# Altium PCB fpga.PcbDoc (part 6 of 11)
Units mm, origin at the board's own origin, x right, y up, seen from the top; angles counter-clockwise.
Board outline 210 x 210 mm, 2 copper layers (Top Layer, Bottom Layer), stack 1.591 mm thick; 639 components, 1839 nets, 4759 pads, 4016 vias.
Unrouted connection lines stored in the file: 10.
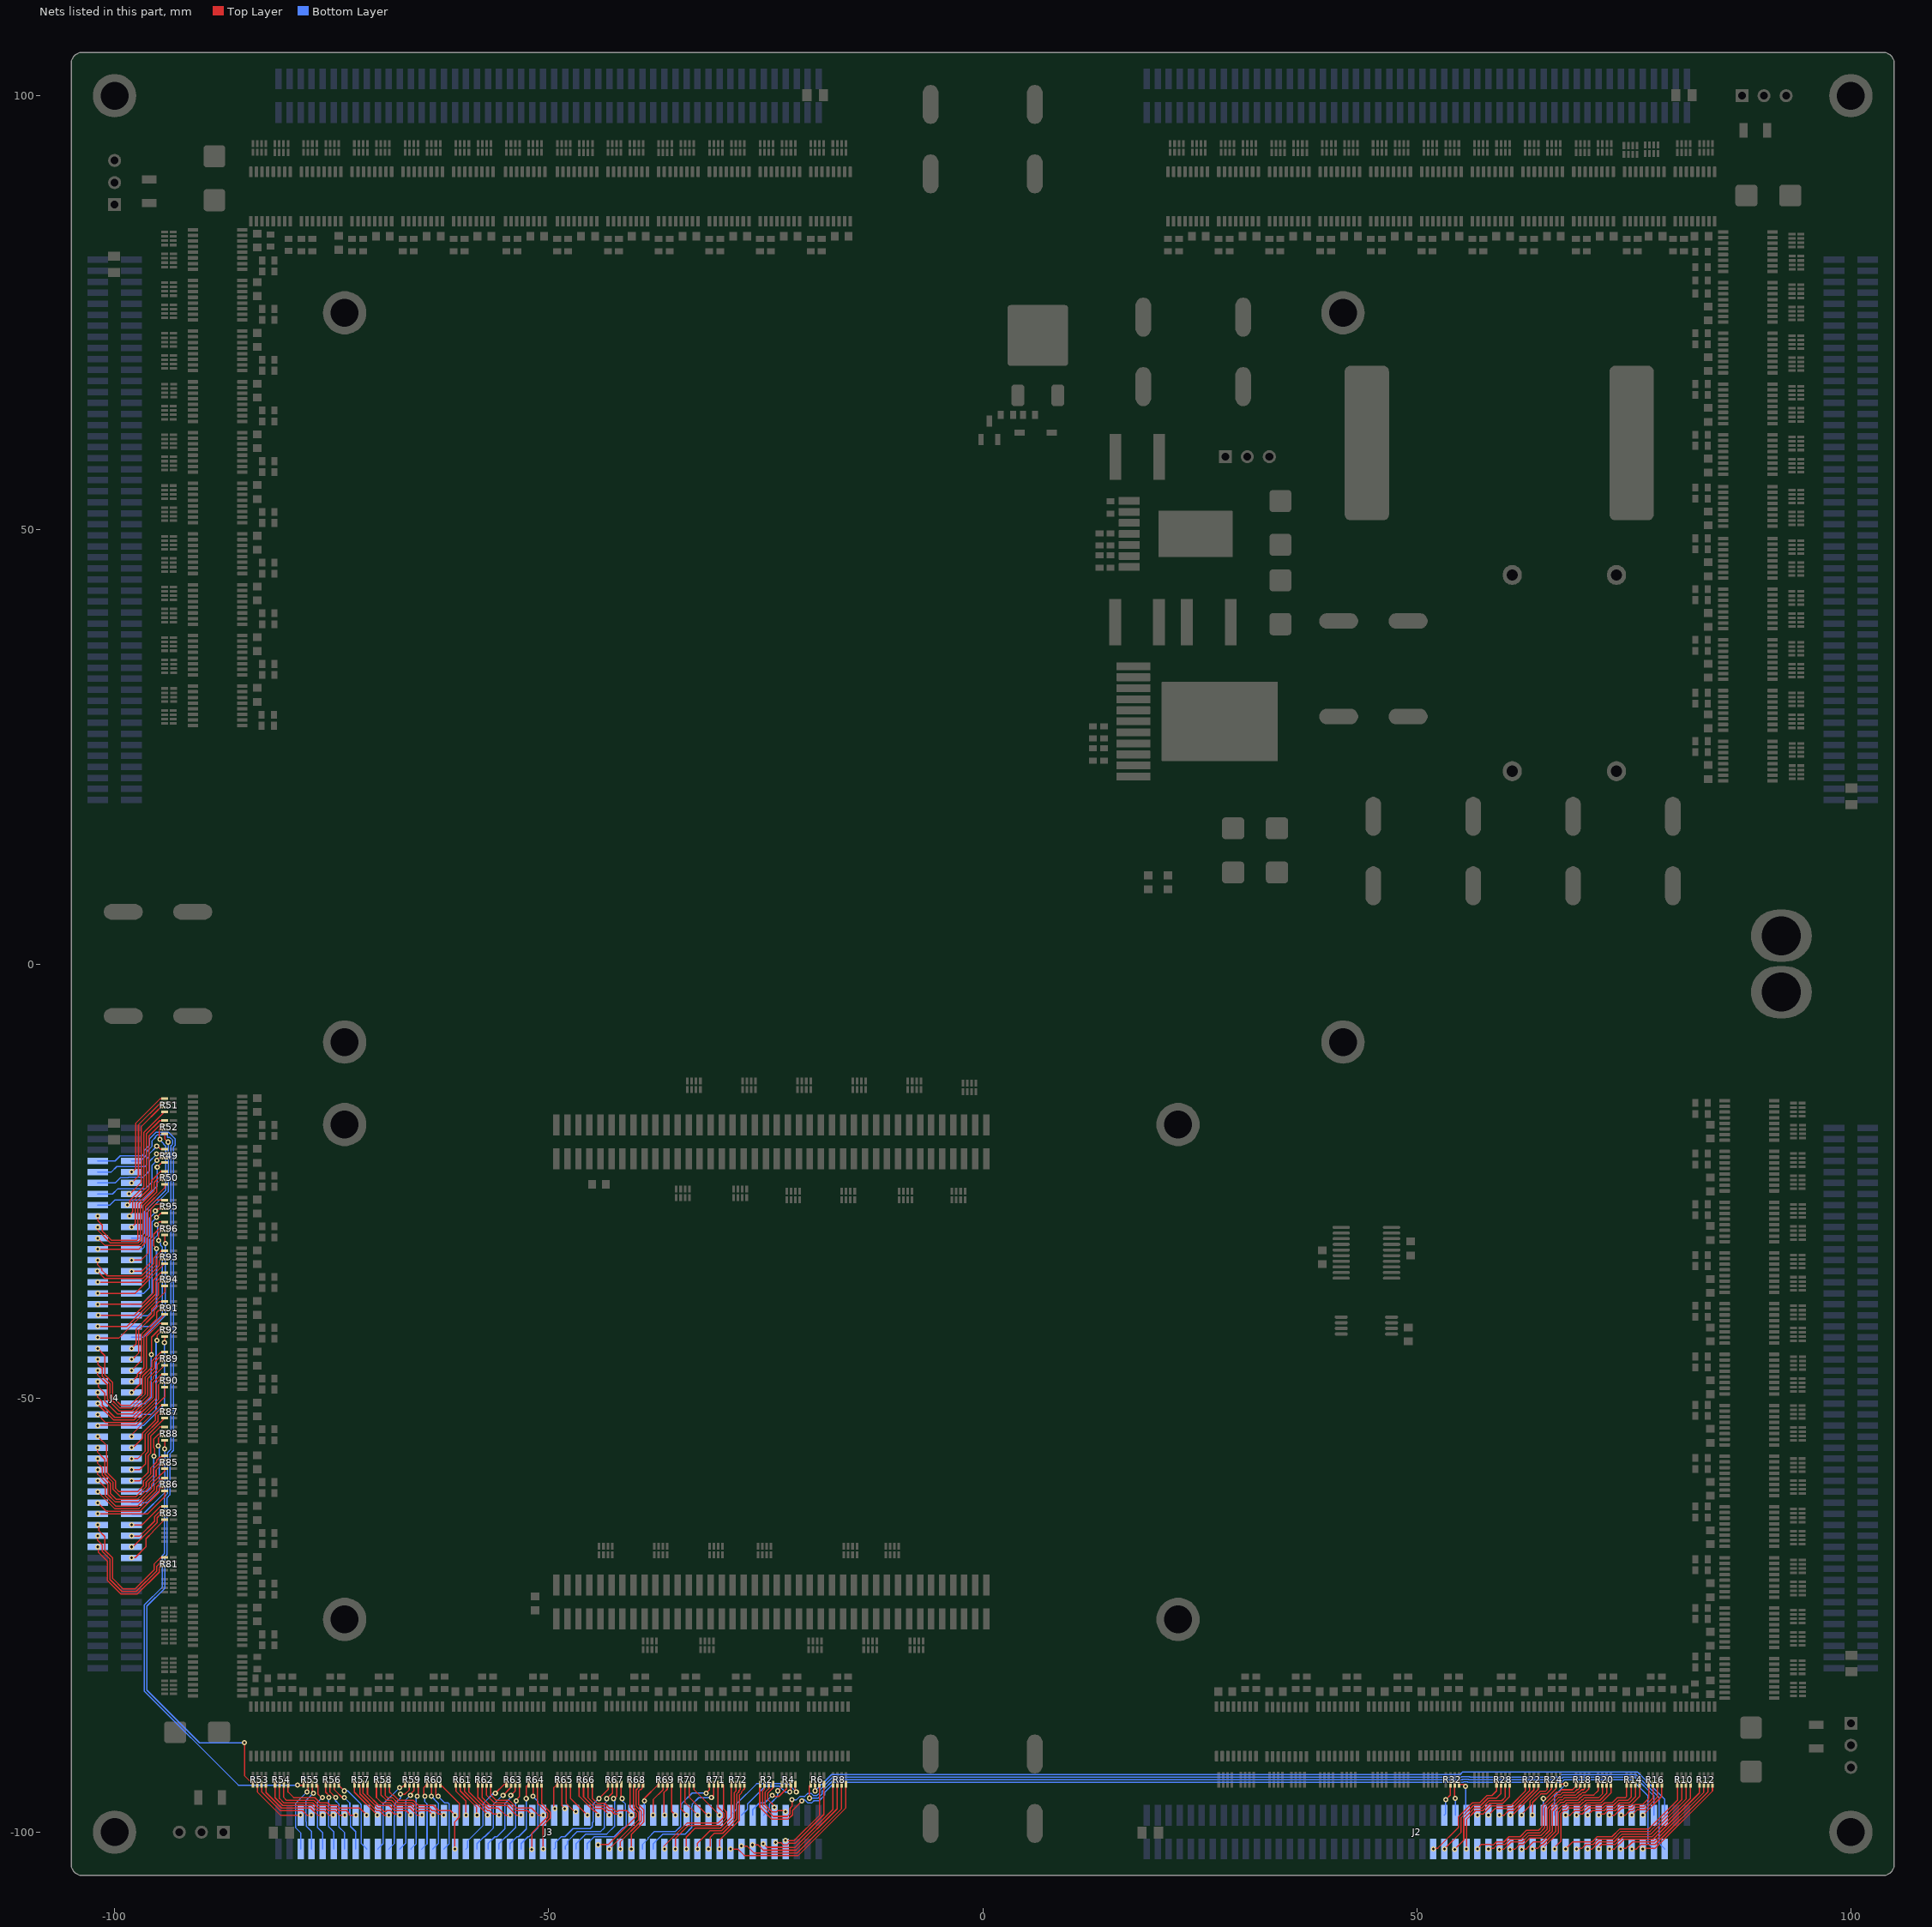
[diagram p6: the nets of this part, all layers, seen from the top]

## Via types
v1: diameter 0.6, hole 0.3, Top Layer to Bottom Layer, tented both sides, 3924 vias
v2: diameter 0.8, hole 0.4, Top Layer to Bottom Layer, tented both sides, 89 vias
v3: diameter 0.6, hole 0.3, Top Layer to Bottom Layer, 3 vias

## Nets (pads, with @x,y where several pads share a name; then routed paths per layer and width w, separated by ;. In a path a pad name is that pad's centre, name@x,y a point inside that pad or via, vN(x,y) a via of type N, cw(c..) or ccw(c..) an arc to the next point about the centre after c; other vN are vias at no path point) (continued)
NetJ2_54: J2.54 R28.5 | length 11.9
  Top Layer w0.15: R28.5@59.194,-94.48 59.194,-95.238 58.65,-95.782 58.083,-95.782 57.24,-96.625 56.395,-96.625 54.815,-98.205 54.815,-99.441 52.402,-101.854 v1@51.816,-101.854 ; v1@51.816,-101.854 51.816,-101.861 v1(51.905,-101.95) v1@51.816,-101.854
NetJ2_55: J2.55 R32.6 | length 3.8
  Top Layer w0.15: v1(53.34,-96.266) 53.864,-95.742 R32.6@53.864,-94.488
  Bottom Layer w0.15: J2.55@53.175,-98.05 53.34,-97.885 v1(53.34,-96.266)
NetJ2_56: J2.56 R28.6 | length 11.2
  Top Layer w0.15: v1(53.175,-101.95) 55.115,-100.01 55.115,-98.329 56.519,-96.925 57.365,-96.925 58.208,-96.082 59.182,-96.082 59.694,-95.57 R28.6@59.694,-94.48
NetJ2_57: J2.57 R32.7 | length 3.6
  Top Layer w0.15: R32.7@54.364,-94.488 54.364,-96.004 54.356,-96.012 v1(54.445,-96.101)
  Bottom Layer w0.15: J2.57@54.445,-98.05 v1(54.445,-96.101)
NetJ2_58: J2.58 R28.7 | length 11.5
  Top Layer w0.15: R28.7@60.194,-94.48 60.194,-95.973 59.785,-96.382 58.332,-96.382 57.489,-97.225 56.643,-97.225 55.415,-98.453 55.415,-100.922 v1(54.356,-101.981) ; v1(54.356,-101.981) 54.414,-101.981 54.445,-101.95 v1(54.356,-101.981)
NetJ2_59: J2.59 R32.8 | length 4.3
  Top Layer w0.15: R32.8@54.864,-94.488 55.499,-94.488 55.626,-94.615 v1(55.626,-94.742)
  Bottom Layer w0.15: J2.59@55.626,-97.961 v1@55.626,-94.615
NetJ2_60: J2.60 R28.8 | length 10.9
  Top Layer w0.15: v1(55.715,-101.95) 55.715,-98.578 56.768,-97.525 57.613,-97.525 58.456,-96.682 59.909,-96.682 60.694,-95.897 R28.8@60.694,-94.48
NetJ2_61: J2.61 R22.5 | length 7.8
  Top Layer w0.15: R22.5@62.492,-94.488 62.492,-95.299 60.866,-96.925 60.329,-96.925 60.272,-96.982 58.581,-96.982 57.646,-97.917 v1@56.896,-97.917 ; v1@56.896,-97.917 56.896,-97.961 v1(56.985,-98.05) v1@56.896,-97.917
NetJ2_62: J2.62 R18.5 | length 16
  Top Layer w0.15: v1(56.985,-101.95) 56.985,-101.892 57.452,-101.425 58.472,-101.425 58.52,-101.473 58.835,-101.473 59.183,-101.125 60.029,-101.125 60.629,-100.525 61.905,-100.525 62.629,-99.801 64.024,-99.801 64.413,-99.411 64.413,-97.07 66.078,-95.405 66.403,-95.405 66.683,-95.125 67.943,-95.125 68.334,-94.734 R18.5@68.334,-94.472
NetJ2_63: J2.63 R22.6 | length 6.7
  Top Layer w0.15: v1(58.255,-98.05) 59.023,-97.282 60.335,-97.282 60.365,-97.313 60.453,-97.225 60.99,-97.225 62.992,-95.223 R22.6@62.992,-94.488
NetJ2_64: J2.64 R18.6 | length 15.6
  Top Layer w0.15: R18.6@68.834,-94.472 68.709,-94.597 68.709,-94.965 68.577,-95.097 68.479,-95.097 68.151,-95.425 66.808,-95.425 66.528,-95.705 66.202,-95.705 64.713,-97.194 64.713,-99.536 64.148,-100.101 62.754,-100.101 62.029,-100.825 60.753,-100.825 60.153,-101.425 59.308,-101.425 58.879,-101.854 v1@58.166,-101.854 ; v1@58.166,-101.854 58.166,-101.861 v1(58.255,-101.95) v1@58.166,-101.854
NetJ2_65: J2.65 R22.7 | length 5.8
  Top Layer w0.15: v1@59.525,-98.05 v1(59.531,-98.044) 60.059,-98.044 60.578,-97.525 61.115,-97.525 63.492,-95.148 R22.7@63.492,-94.488
NetJ2_66: J2.66 R18.7 | length 14.7
  Top Layer w0.15: v1@59.525,-101.95 v1(59.494,-101.981) 60.022,-101.981 60.878,-101.125 62.154,-101.125 62.878,-100.401 64.272,-100.401 65.013,-99.66 65.013,-97.318 66.326,-96.005 66.652,-96.005 66.932,-95.725 68.298,-95.725 68.626,-95.397 68.701,-95.397 68.973,-95.125 69.213,-95.125 69.334,-95.004 R18.7@69.334,-94.472
NetJ2_67: J2.67 R22.8 | length 5
  Top Layer w0.15: v1(60.795,-98.05) 61.014,-98.05 63.992,-95.072 R22.8@63.992,-94.488
NetJ2_68: J2.68 R18.8 | length 13.9
  Top Layer w0.15: v1@60.795,-101.95 v1(60.764,-101.981) 61.292,-101.981 61.848,-101.425 62.278,-101.425 63.002,-100.701 64.396,-100.701 65.313,-99.784 65.313,-97.442 66.451,-96.305 66.776,-96.305 67.056,-96.025 68.422,-96.025 68.75,-95.697 68.826,-95.697 69.098,-95.425 69.421,-95.425 69.834,-95.012 R18.8@69.834,-94.472
NetJ2_69: J2.69 R24.5 | length 5.4
  Top Layer w0.15: R24.5@65.036,-94.48 65.036,-95.068 64.79,-95.314 64.174,-95.314 63.035,-96.453 63.035,-96.985 v1@61.976,-98.044 ; v1@61.976,-98.044 61.982,-98.05 v1(62.065,-98.05) v1@61.976,-98.044
NetJ2_70: J2.70 R20.5 | length 13.7
  Top Layer w0.15: v1@62.065,-101.95 v1(62.096,-101.981) 62.562,-101.981 63.418,-101.125 64.396,-101.125 65.613,-99.908 65.613,-97.567 66.575,-96.605 66.9,-96.605 67.18,-96.325 68.546,-96.325 68.874,-95.997 68.95,-95.997 69.222,-95.725 70.391,-95.725 70.878,-95.238 R20.5@70.878,-94.48
NetJ2_71: J2.71 R24.6 | length 4.8
  Top Layer w0.15: v1(63.335,-98.05) 63.335,-96.578 64.299,-95.614 64.914,-95.614 65.536,-94.992 R24.6@65.536,-94.48
NetJ2_72: J2.72 R20.6 | length 13.3
  Top Layer w0.15: R20.6@71.378,-94.48 71.378,-95.609 70.962,-96.025 69.346,-96.025 69.074,-96.297 68.998,-96.297 68.67,-96.625 67.305,-96.625 67.025,-96.905 66.699,-96.905 66.02,-97.584 66.02,-99.926 64.521,-101.425 64.388,-101.425 63.959,-101.854 v1@63.373,-101.854 ; v1@63.373,-101.854 63.335,-101.892 v1(63.335,-101.95) v1@63.373,-101.854
NetJ2_73: J2.73 R24.7 | length 4.7
  Top Layer w0.15: v1@64.605,-96.228 64.516,-96.139 v1(64.579,-96.139) 64.643,-96.139 64.77,-96.266 66.036,-95 R24.7@66.036,-94.48
  Bottom Layer w0.15: v1(64.579,-96.139) 64.579,-98.025 J2.73@64.605,-98.05
NetJ2_74: J2.74 R20.7 | length 12.7
  Top Layer w0.15: R20.7@71.878,-94.48 71.878,-95.533 71.086,-96.325 69.47,-96.325 69.198,-96.597 69.123,-96.597 68.795,-96.925 67.429,-96.925 67.149,-97.205 66.823,-97.205 66.32,-97.708 66.32,-100.05 v1@64.516,-101.854 ; v1@64.516,-101.854 64.516,-101.861 v1(64.605,-101.95) v1@64.516,-101.854
NetJ2_75: J2.75 R24.8 | length 4.8
  Top Layer w0.15: R24.8@66.536,-94.48 67.048,-94.48 67.056,-94.488 v1(67.183,-94.488)
  Bottom Layer w0.15: J2.75@65.875,-98.05 65.875,-95.796 v1(67.183,-94.488)
NetJ2_76: J2.76 R20.8 | length 12.4
  Top Layer w0.15: R20.8@72.378,-94.48 72.378,-95.457 71.21,-96.625 69.595,-96.625 69.323,-96.897 69.247,-96.897 68.919,-97.225 67.553,-97.225 67.273,-97.505 66.948,-97.505 66.62,-97.833 66.62,-101.02 v1@65.786,-101.854 ; v1@65.786,-101.854 65.786,-101.861 v1(65.875,-101.95) v1@65.786,-101.854
NetJ2_77: J2.77 R14.5 | length 9.3
  Top Layer w0.15: v1(67.145,-98.05) 67.673,-98.05 68.198,-97.525 69.043,-97.525 69.371,-97.197 69.447,-97.197 69.719,-96.925 71.335,-96.925 71.635,-96.625 72.512,-96.625 73.112,-96.025 74.041,-96.025 74.18,-95.886 R14.5@74.18,-94.48
NetJ2_78: J2.78 R10.5 | length 17.1
  Top Layer w0.15: v1(67.145,-101.95) 67.97,-101.125 70.189,-101.125 70.789,-100.525 72.48,-100.525 73.38,-99.625 76.729,-99.625 80.022,-96.332 R10.5@80.022,-94.48
NetJ2_79: J2.79 R14.6 | length 9
  Top Layer w0.15: R14.6@74.68,-94.48 74.68,-95.986 74.341,-96.325 73.237,-96.325 72.637,-96.925 71.759,-96.925 71.459,-97.225 69.843,-97.225 69.571,-97.497 69.496,-97.497 69.076,-97.917 v1@68.326,-97.917 ; v1@68.326,-97.917 68.326,-97.961 v1(68.415,-98.05) v1@68.326,-97.917
NetJ2_80: J2.80 R10.6 | length 16.6
  Top Layer w0.15: R10.6@80.522,-94.48 80.522,-96.256 76.853,-99.925 73.505,-99.925 72.605,-100.825 70.913,-100.825 70.313,-101.425 69.468,-101.425 69.039,-101.854 v1@68.326,-101.854 ; v1@68.326,-101.854 68.326,-101.861 v1(68.415,-101.95) v1@68.326,-101.854
NetJ2_81: J2.81 R14.7 | length 7.8
  Top Layer w0.15: v1(69.685,-98.05) 70.21,-97.525 71.583,-97.525 71.883,-97.225 72.761,-97.225 73.361,-96.625 74.493,-96.625 75.18,-95.938 R14.7@75.18,-94.48
NetJ2_82: J2.82 R10.7 | length 15.4
  Top Layer w0.15: v1(69.685,-101.95) 70.213,-101.95 71.038,-101.125 72.729,-101.125 73.629,-100.225 76.978,-100.225 81.045,-96.158 81.045,-94.503 R10.7@81.022,-94.48
NetJ2_83: J2.83 R14.8 | length 7.2
  Top Layer w0.15: R14.8@75.68,-94.48 75.68,-95.862 74.617,-96.925 73.485,-96.925 72.885,-97.525 72.008,-97.525 71.616,-97.917 v1@70.993,-97.917 ; v1@70.993,-97.917 70.955,-97.955 v1(70.955,-98.05) v1@70.993,-97.917
NetJ2_84: J2.84 R10.8 | length 14.9
  Top Layer w0.15: R10.8@81.522,-94.48 81.522,-96.105 77.102,-100.525 73.753,-100.525 72.853,-101.425 71.295,-101.425 v1@70.866,-101.854 ; v1@70.866,-101.854 70.955,-101.943 v1(70.955,-101.95) v1@70.866,-101.854
NetJ2_85: J2.85 R16.5 | length 6.9
  Top Layer w0.15: v1(72.225,-98.05) 72.785,-98.05 73.61,-97.225 74.741,-97.225 75.157,-96.809 76.035,-96.809 76.716,-96.128 R16.5@76.716,-94.488
NetJ2_86: J2.86 R12.5 | length 14
  Top Layer w0.15: v1(72.225,-101.95) 72.753,-101.95 73.878,-100.825 77.226,-100.825 82.562,-95.489 R12.5@82.562,-94.48
NetJ2_87: J2.87 R16.6 | length 6.1
  Top Layer w0.15: v1@73.495,-98.05 v1(73.533,-98.044) 74.029,-98.044 74.548,-97.525 74.866,-97.525 75.282,-97.109 76.159,-97.109 77.216,-96.052 R16.6@77.216,-94.488
NetJ2_88: J2.88 R12.6 | length 13.5
  Top Layer w0.15: R12.6@83.062,-94.48 83.062,-95.413 77.35,-101.125 74.848,-101.125 74.119,-101.854 v1@73.406,-101.854 ; v1@73.406,-101.854 73.406,-101.861 v1(73.495,-101.95) v1@73.406,-101.854
NetJ2_89: J2.89 R16.7 | length 5.3
  Top Layer w0.15: v1(74.765,-98.05) 75.406,-97.409 76.284,-97.409 77.716,-95.977 R16.7@77.716,-94.488
NetJ2_90: J2.90 R12.7 | length 12.4
  Top Layer w0.15: v1(74.765,-101.95) 75.293,-101.95 75.818,-101.425 77.475,-101.425 83.562,-95.338 R12.7@83.562,-94.48
NetJ2_91: J2.91 R16.8 | length 4.6
  Top Layer w0.15: v1@75.946,-98.139 v1(76.035,-98.05) 76.067,-98.05 78.216,-95.901 R16.8@78.216,-94.488
NetJ2_92: J2.92 R12.8 | length 11.9
  Top Layer w0.15: R12.8@84.062,-94.48 84.062,-95.262 77.47,-101.854 v1@75.946,-101.854 ; v1@75.946,-101.854 75.946,-101.861 v1(76.035,-101.95) v1@75.946,-101.854
NetJ2_93: J2.93 R6.5 | length 103.3
  Top Layer w0.15: v1(-19.964,-96.088) -19.964,-94.644 R6.5@-19.8,-94.48
  Bottom Layer w0.15: v1(-19.964,-96.088) -19.38,-96.088 -19.367,-96.075 -18.962,-96.075 -18.479,-95.592 -18.479,-95.274 -17.168,-93.963 55.238,-93.963 55.284,-93.917 55.968,-93.917 56.014,-93.963 66.541,-93.963 66.841,-93.663 75.154,-93.663 77.305,-95.814 J2.93@77.305,-98.05
NetJ2_94: J2.94 R2.5 | length 115.4
  Top Layer w0.15: R2.5@-25.642,-94.48 -25.682,-94.52 -25.682,-97.127 -24.321,-98.488 -22.391,-98.488 -21.908,-98.005 -21.908,-97.483 -20.828,-96.403 v1(-20.828,-96.393)
  Bottom Layer w0.15: v1(-20.828,-96.393) -20.671,-96.236 -20.559,-96.236 -20.182,-96.613 -19.671,-96.613 -19.446,-96.388 -19.256,-96.388 -19.243,-96.375 -18.838,-96.375 -18.179,-95.716 -18.179,-95.398 -17.044,-94.263 55.363,-94.263 55.409,-94.217 55.843,-94.217 55.889,-94.263 66.666,-94.263 66.966,-93.963 74.786,-93.963 76.632,-95.809 76.632,-101.277 J2.94@77.305,-101.95
NetJ2_95: J2.95 R6.6 | length 102.7
  Top Layer w0.15: v1(-19.304,-95.25) -19.304,-95.242 -19.3,-95.246 R6.6@-19.3,-94.48
  Bottom Layer w0.15: v1(-19.304,-95.25) -17.417,-93.363 54.99,-93.363 55.29,-93.063 75.402,-93.063 78.575,-96.236 J2.95@78.575,-98.05
NetJ2_96: J2.96 R2.6 | length 117
  Top Layer w0.15: R2.6@-25.142,-94.48 -25.142,-95.052 -25.382,-95.292 -25.382,-96.943 -24.137,-98.188 -22.516,-98.188 -22.208,-97.88 -22.208,-97.265 -21.971,-97.028 v1(-21.971,-96.266)
  Bottom Layer w0.15: v1(-21.971,-96.266) -21.443,-96.266 -21.045,-95.868 -20.611,-95.868 -20.543,-95.936 -20.489,-95.882 -20.489,-95.871 -20.182,-95.563 -19.733,-95.563 -19.521,-95.775 -19.087,-95.775 -18.779,-95.467 -18.779,-95.149 -17.293,-93.663 55.114,-93.663 55.16,-93.617 56.092,-93.617 56.138,-93.663 66.417,-93.663 66.717,-93.363 75.278,-93.363 77.9,-95.985 77.9,-101.275 J2.96@78.575,-101.95
NetJ3_7: J3.7 R6.7 | length 8.7
  Top Layer w0.15: v1(-22.733,-100.965) -21.717,-100.965 -18.779,-98.027 -18.779,-94.501 R6.7@-18.8,-94.48
NetJ3_8: J3.8 R2.7 | length 5.6
  Top Layer w0.15: R2.7@-24.642,-94.48 -24.642,-94.976 -25.082,-95.416 -25.082,-96.818 -24.22,-97.68 -23.786,-97.68 -23.642,-97.536 -22.733,-97.536 -22.606,-97.663 v1(-22.733,-97.663)
NetJ3_9: J3.9 R6.8 | length 10.6
  Top Layer w0.15: v1(-23.876,-101.219) -23.221,-101.219 -22.95,-101.49 -22.516,-101.49 -22.291,-101.265 -21.593,-101.265 -18.3,-97.972 R6.8@-18.3,-94.48
NetJ3_10: J3.10 R2.8 | length 3.3
  Top Layer w0.15: R2.8@-24.142,-94.48 -24.142,-94.901 -24.474,-95.233 -24.782,-95.541 -24.782,-95.975 -24.782,-96.206 -24.003,-96.985 v1(-24.003,-97.155)
NetJ3_11: J3.11 R8.5 | length 12.9
  Top Layer w0.15: v1(-25.273,-101.346) -24.875,-101.744 -23.121,-101.744 -23.075,-101.79 -21.653,-101.79 -17.26,-97.397 R8.5@-17.26,-94.48
NetJ3_12: J3.12 R4.5 | length 4.5
  Top Layer w0.15: v1(-23.622,-95.25) -23.102,-94.73 R4.5@-23.102,-94.48
  Bottom Layer w0.15: J3.12@-25.235,-98.05 -24.56,-97.375 -24.56,-96.757 -24.428,-96.625 -24.382,-96.625 -23.622,-95.865 v1(-23.622,-95.25)
NetJ3_13: J3.13 R8.6 | length 14.9
  Top Layer w0.15: v1(-26.543,-101.473) -25.888,-101.473 -25.271,-102.09 -21.529,-102.09 -16.76,-97.321 R8.6@-16.76,-94.48
NetJ3_14: J3.14 R4.6 | length 6.2
  Top Layer w0.15: v1(-24.257,-95.758) -24.257,-95.885 -23.495,-95.885 -22.602,-94.992 R4.6@-22.602,-94.48
  Bottom Layer w0.15: J3.14@-26.505,-98.05 -26.505,-97.432 -25.698,-96.625 -25.124,-96.625 v1(-24.257,-95.758)
NetJ3_15: J3.15 R8.7 | length 16.8
  Top Layer w0.15: v1(-27.813,-101.6) -27.158,-101.6 -26.368,-102.39 -21.364,-102.39 -16.26,-97.286 R8.7@-16.26,-94.48
NetJ3_16: J3.16 R4.7 | length 8.5
  Top Layer w0.15: v1(-22.225,-95.377) -22.102,-95.254 R4.7@-22.102,-94.48
  Bottom Layer w0.15: J3.16@-27.775,-98.05 -27.1,-97.375 -27.1,-96.757 -25.068,-94.725 -23.405,-94.725 -22.753,-95.377 v1(-22.225,-95.377)
NetJ3_17: J3.17 R8.8 | length 19.3
  Top Layer w0.15: v1(-29.045,-101.95) -29.045,-101.765 -29.261,-101.981 -28.174,-101.981 -27.465,-102.69 -21.24,-102.69 -15.76,-97.21 R8.8@-15.76,-94.48
NetJ3_18: J3.18 R4.8 | length 10.8
  Top Layer w0.15: R4.8@-21.602,-94.48 -21.602,-95.238 v1(-21.463,-95.377)
  Bottom Layer w0.15: J3.18@-29.045,-98.05 -28.37,-97.375 -28.37,-96.757 -26.038,-94.425 -22.435,-94.425 -21.483,-95.377 v1(-21.463,-95.377)
NetJ3_19: J3.19 R72.8 | length 8.7
  Top Layer w0.15: v1(-30.315,-101.95) -30.315,-100.927 -28.044,-98.656 -28.044,-95.753 -27.769,-95.478 -27.769,-95.333 -27.432,-94.996 -27.432,-94.492 R72.8@-27.444,-94.48
NetJ3_20: J3.20 R70.8 | length 4.8
  Top Layer w0.15: R70.8@-33.286,-94.48 -33.286,-95.079 v1(-30.315,-98.05)
NetJ3_21: J3.21 R72.7 | length 9.6
  Top Layer w0.15: v1(-31.585,-101.95) -31.623,-101.912 -31.623,-101.854 -31.369,-101.6 -31.369,-100.584 -30.918,-100.133 -29.958,-100.133 -28.344,-98.518 -28.344,-95.628 -28.069,-95.353 -28.069,-95.209 -27.944,-95.084 R72.7@-27.944,-94.48
NetJ3_22: J3.22 R70.7 | length 4.7
  Top Layer w0.15: R70.7@-33.786,-94.48 -33.786,-96.008 -31.623,-98.171 -31.623,-98.088 v1(-31.585,-98.05)
NetJ3_23: J3.23 R72.6 | length 10.1
  Top Layer w0.15: v1(-32.855,-101.95) -32.855,-101.273 -31.415,-99.833 -30.083,-99.833 -28.644,-98.394 -28.644,-95.504 -28.444,-95.304 R72.6@-28.444,-94.48
NetJ3_24: J3.24 R70.6 | length 4.2
  Top Layer w0.15: R70.6@-34.286,-94.48 -34.286,-96.619 v1(-32.855,-98.05)
NetJ3_25: J3.25 R72.5 | length 11.7
  Top Layer w0.15: v1(-34.125,-101.95) -34.125,-102.07 -34.163,-102.108 -34.163,-100.584 -33.112,-99.533 -30.207,-99.533 -28.944,-98.27 R72.5@-28.944,-94.48
NetJ3_26: J3.26 R70.5 | length 3.8
  Top Layer w0.15: R70.5@-34.786,-94.48 -34.786,-97.294 -34.125,-97.955 v1(-34.125,-98.05)
NetJ3_27: J3.27 R71.8 | length 12.2
  Top Layer w0.15: v1(-35.395,-101.95) -35.395,-100.716 -33.912,-99.233 -30.331,-99.233 -29.49,-98.392 -29.49,-97.708 -29.845,-97.353 -29.845,-94.615 R71.8@-29.988,-94.472
NetJ3_28: J3.28 R69.8 | length 3.7
  Top Layer w0.15: R69.8@-35.826,-94.48 -35.826,-97.619 v1(-35.395,-98.05)
NetJ3_29: J3.29 R71.7 | length 12.7
  Top Layer w0.15: v1(-36.665,-101.95) -36.703,-101.912 -36.703,-101.6 -34.036,-98.933 -30.456,-98.933 -29.79,-98.267 -29.79,-97.833 -30.488,-97.135 R71.7@-30.488,-94.472
NetJ3_30: J3.30 R69.7 | length 3.8
  Top Layer w0.15: v1(-36.665,-98.05) -36.703,-98.088 -36.703,-95.42 -36.326,-95.043 R69.7@-36.326,-94.48
NetJ3_31: J3.31 R71.6 | length 12.7
  Top Layer w0.15: v1(-31.242,-96.012) -30.988,-95.758 R71.6@-30.988,-94.472
  Bottom Layer w0.15: J3.31@-37.935,-101.95 -37.935,-101.332 -36.832,-100.228 -34.29,-100.228 -33.503,-99.441 -33.503,-97.053 -33.45,-97.001 -33.45,-96.757 -32.722,-96.029 -31.259,-96.029 v1(-31.242,-96.012)
NetJ3_32: J3.32 R69.6 | length 4
  Top Layer w0.15: v1(-37.973,-98.044) -37.973,-96.266 -36.826,-95.119 R69.6@-36.826,-94.48
NetJ3_33: J3.33 R71.5 | length 13
  Top Layer w0.15: v1(-31.877,-95.504) -31.488,-95.115 R71.5@-31.488,-94.472
  Bottom Layer w0.15: J3.33@-39.205,-101.95 -39.205,-101.435 -38.53,-100.76 -38.53,-100.657 -37.802,-99.928 -35.385,-99.928 -34.8,-99.343 -34.8,-97.259 -34.72,-97.179 -34.72,-96.757 -33.467,-95.504 v1(-31.877,-95.504)
NetJ3_34: J3.34 R69.5 | length 4.3
  Top Layer w0.15: v1(-38.989,-96.393) -38.989,-96.143 R69.5@-37.326,-94.48
  Bottom Layer w0.15: J3.34@-39.205,-98.05 -38.989,-97.834 v1(-38.989,-96.393)
NetJ3_35: J3.35 R68.8 | length 8.6
  Top Layer w0.15: v1(-40.475,-101.95) -40.475,-100.259 -39.05,-98.834 -39.05,-97.46 -39.624,-96.886 -39.624,-95.264 -39.457,-95.097 -39.381,-95.097 -39.249,-94.965 -39.249,-94.597 R68.8@-39.124,-94.472
NetJ3_36: J3.36 R66.8 | length 7
  Top Layer w0.15: R66.8@-44.982,-94.472 -44.982,-96.095 -44.413,-96.664 -44.303,-96.664 -44.285,-96.682 -43.534,-96.682 -42.991,-97.225 -42.673,-97.225 -42.281,-97.617 -42.054,-97.617 -41.962,-97.525 -41,-97.525 v1(-40.475,-98.05)
NetJ3_37: J3.37 R68.7 | length 8.9
  Top Layer w0.15: v1(-41.745,-101.95) -41.783,-101.912 -41.783,-101.142 -39.35,-98.709 -39.35,-97.584 -39.924,-97.01 -39.924,-95.14 -39.624,-94.84 R68.7@-39.624,-94.472
NetJ3_38: J3.38 R66.7 | length 6.2
  Top Layer w0.15: R66.7@-45.482,-94.472 -45.482,-96.02 -44.538,-96.964 -44.427,-96.964 -44.409,-96.982 -43.659,-96.982 -43.116,-97.525 -42.798,-97.525 -42.406,-97.917 -41.783,-97.917 -41.745,-97.955 v1(-41.745,-98.05)
NetJ3_39: J3.39 R68.6 | length 9.2
  Top Layer w0.15: v1(-43.015,-101.95) -39.65,-98.585 -39.65,-97.708 -40.224,-97.134 -40.224,-94.572 R68.6@-40.124,-94.472
NetJ3_40: J3.40 R66.6 | length 5.3
  Top Layer w0.15: R66.6@-45.982,-94.472 -45.982,-95.944 -44.662,-97.264 -44.552,-97.264 -44.534,-97.282 -43.783,-97.282 v1(-43.015,-98.05)
NetJ3_41: J3.41 R68.5 | length 9.8
  Top Layer w0.15: v1(-44.323,-101.473) -44.275,-101.425 -43.108,-101.425 -40.524,-98.841 -39.95,-98.267 -39.95,-97.833 -40.624,-97.159 R68.5@-40.624,-94.472
NetJ3_42: J3.42 R66.5 | length 4.6
  Top Layer w0.15: R66.5@-46.482,-94.472 -46.482,-95.868 -44.786,-97.564 -44.676,-97.564 -44.285,-97.955 v1(-44.285,-98.05)
NetJ3_43: J3.43 R67.8 | length 11
  Top Layer w0.15: R67.8@-41.656,-94.472 -41.656,-96.012 v1(-41.529,-96.139)
  Bottom Layer w0.15: J3.43@-45.555,-101.95 -45.555,-101.333 -44.88,-100.658 -44.88,-100.657 -44.748,-100.525 -42.461,-100.525 -41.411,-99.475 -41.282,-99.475 -41.07,-99.263 -41.07,-97.612 -41.15,-97.532 -41.15,-96.757 -41.529,-96.378 v1(-41.529,-96.139)
NetJ3_44: J3.44 R65.8 | length 4.4
  Top Layer w0.15: R65.8@-47.498,-94.472 -47.498,-96.107 v1(-45.555,-98.05)
NetJ3_45: J3.45 R67.7 | length 11.2
  Top Layer w0.15: v1(-42.545,-96.139) -42.545,-96.266 -42.156,-95.877 R67.7@-42.156,-94.472
  Bottom Layer w0.15: J3.45@-46.825,-101.95 -46.825,-101.332 -45.718,-100.225 -43.302,-100.225 -42.393,-99.316 -42.393,-97.587 -42.42,-97.559 -42.42,-96.264 v1(-42.545,-96.139)
NetJ3_46: J3.46 R65.7 | length 3.9
  Top Layer w0.15: R65.7@-47.998,-94.472 -47.998,-96.655 -46.863,-97.79 v1(-46.863,-97.663)
NetJ3_47: J3.47 R67.6 | length 11.3
  Top Layer w0.15: v1(-43.307,-96.139) -42.656,-95.488 R67.6@-42.656,-94.472
  Bottom Layer w0.15: J3.47@-48.095,-101.95 -48.095,-101.638 -47.854,-101.397 -47.854,-101.09 -46.688,-99.925 -43.994,-99.925 -43.61,-99.541 -43.61,-96.757 -43.307,-96.454 v1(-43.307,-96.139)